# Altium PCB LimeKEY-RPCM_1v2.PcbDoc (part 6 of 8)
Units mm, origin at the board's own origin, x right, y up, seen from the top; angles counter-clockwise.
Board outline 170 x 110 mm, 6 copper layers (Top, L2, L3, L4, L5, Bottom), stack 1.583 mm thick; 727 components, 437 nets, 3165 pads, 1376 vias.
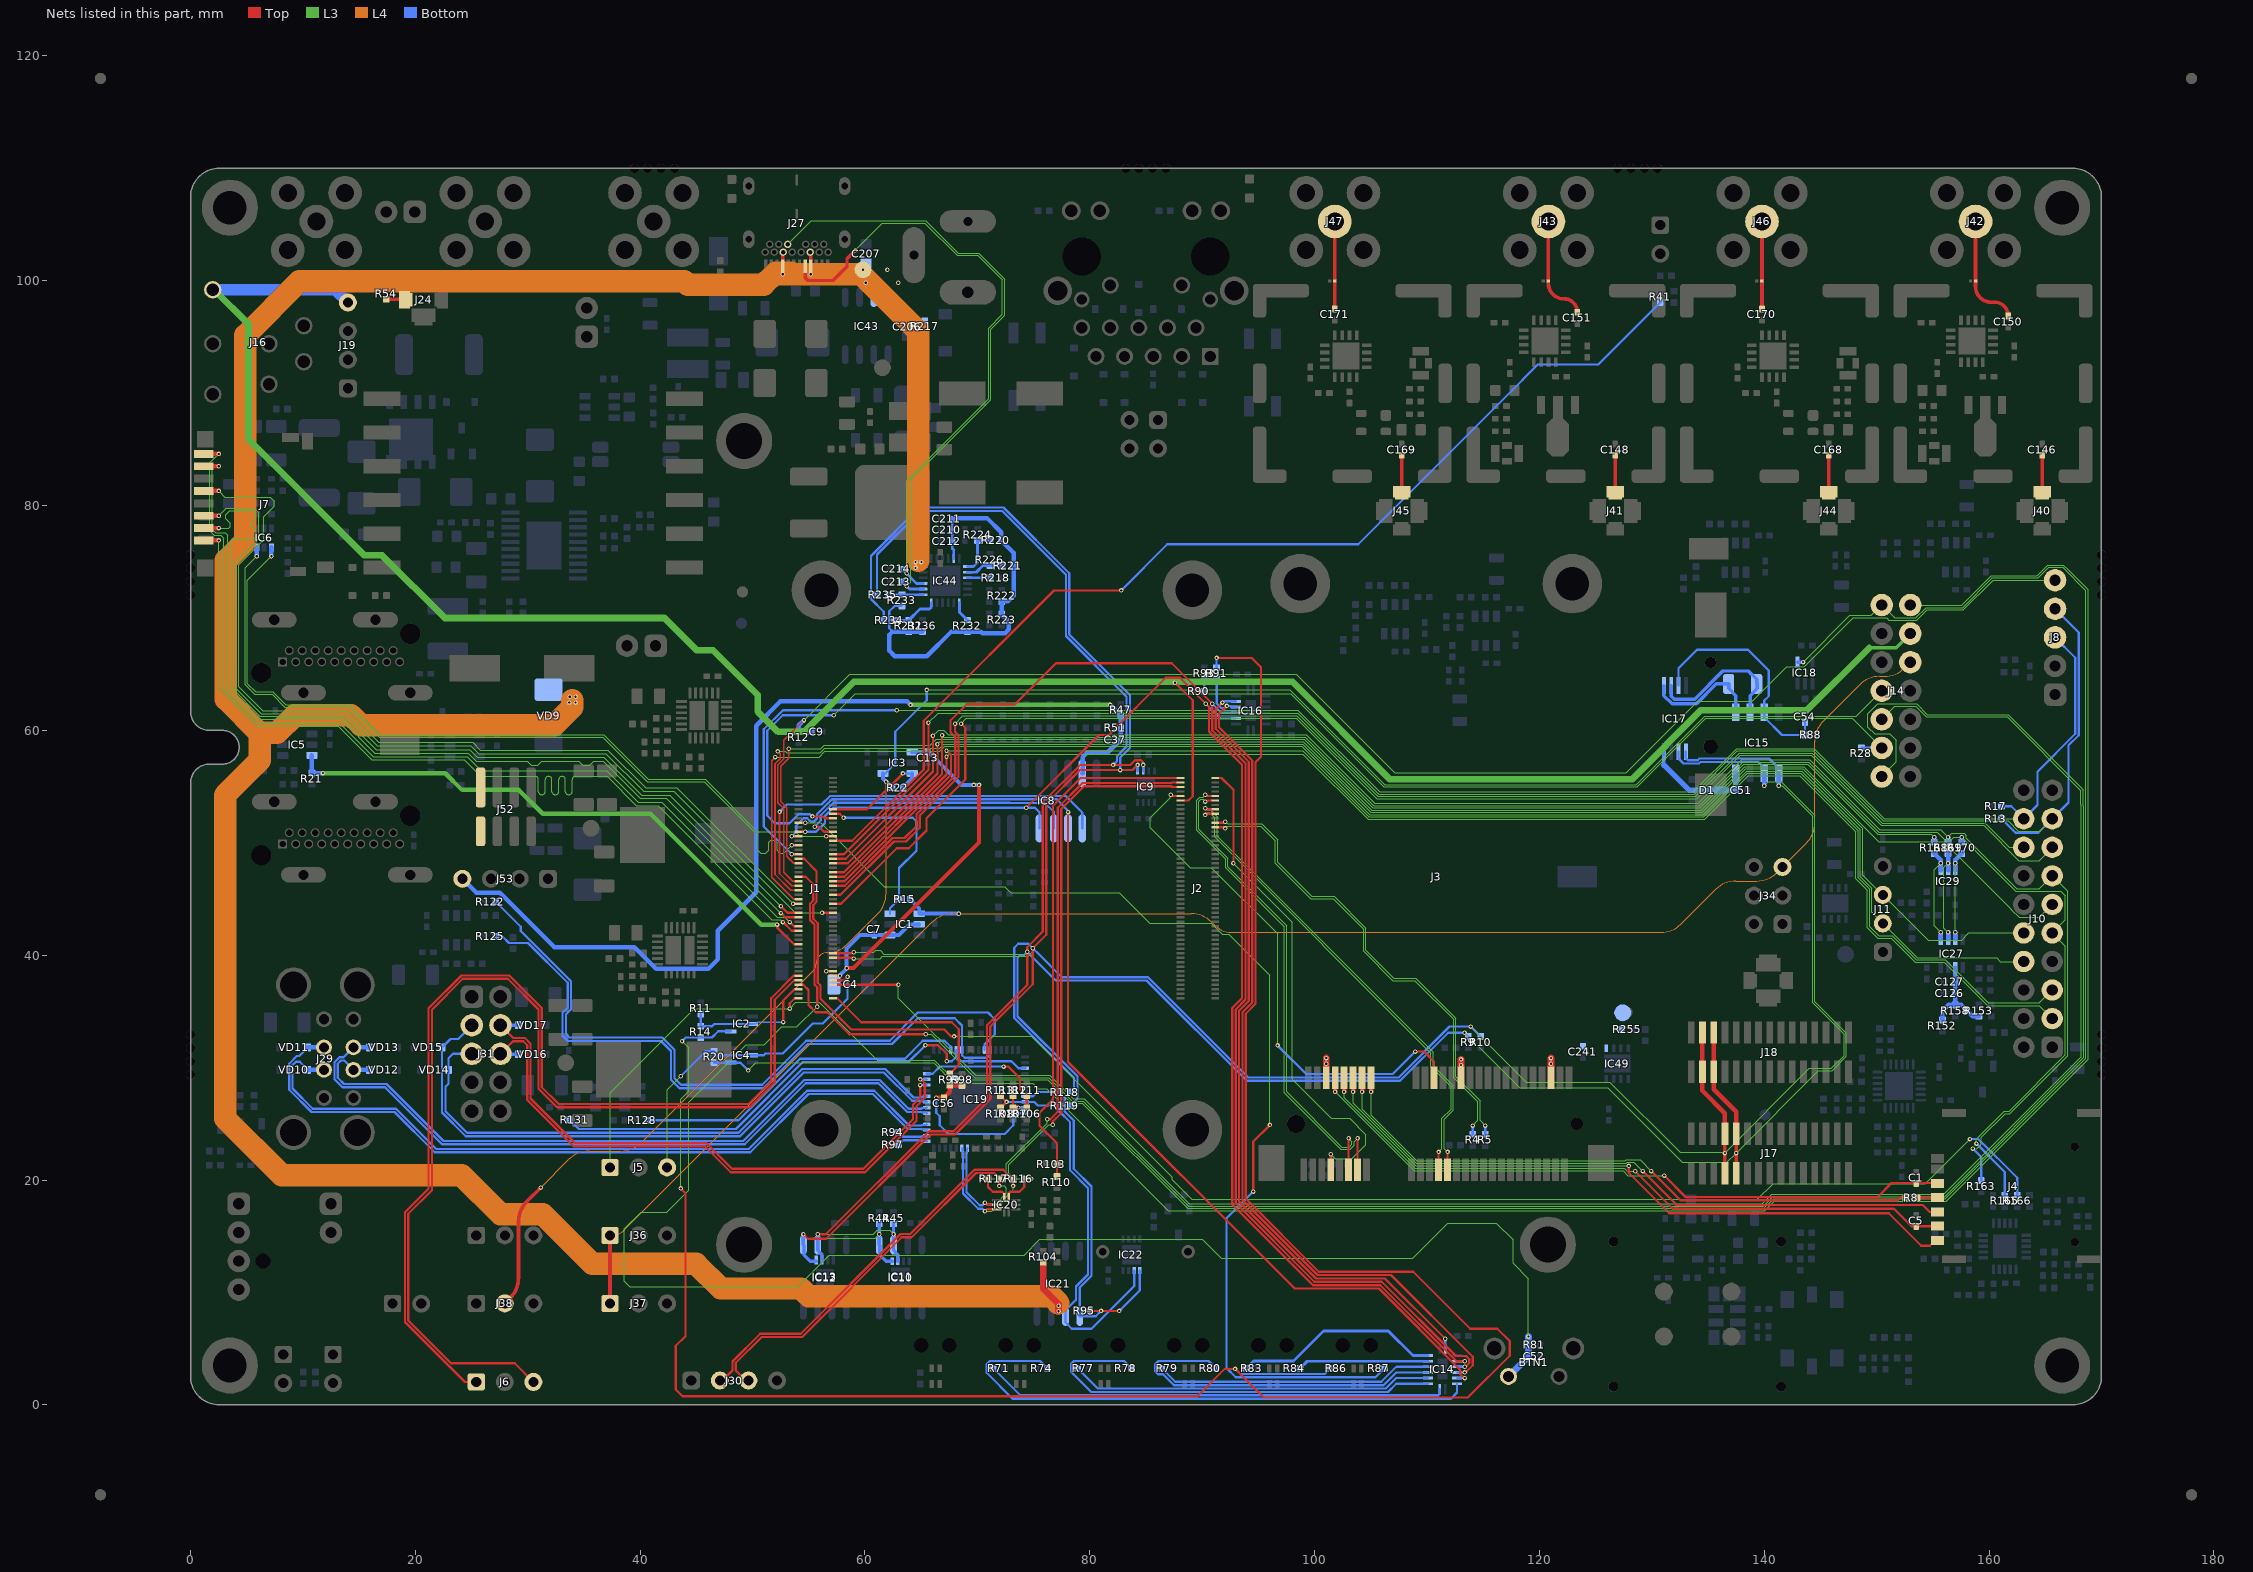
[diagram p10: the nets of this part, all layers, seen from the top]

## Via types
v1: diameter 0.4, hole 0.2, Top to Bottom, tented both sides, 1356 vias
v2: diameter 0.5, hole 0.2, Top to Bottom, tented both sides, 20 vias

## Nets (pads, with @x,y where several pads share a name; then routed paths per layer and width w, separated by ;. In a path a pad name is that pad's centre, name@x,y a point inside that pad or via, vN(x,y) a via of type N, cw(c..) or ccw(c..) an arc to the next point about the centre after c; other vN are vias at no path point) (continued)
RPI_AIP1: J1.94 J14.6 | length 170.2
  Top w0.2: J1.94@57.165,37.375 v1(62.975,37.375)
  L3 w0.1: v1(62.975,37.375) 62.975,36.167 69.842,29.3 76.441,29.3 78.516,27.225 79.516,27.225 88.866,17.875 139.809,17.875 140.659,18.725 155.958,18.725 168.175,30.942 168.175,53.45 168.175,54.633 161.608,61.2 154.417,61.2 153.467,62.15 151.621,62.15 J14.6@150.454,60.982
RPI_BT_nDISABLE: J1.91 J6.3 | length 93.5
  Top w0.2: J6.3@30.499,2.038 28.837,3.7 23.175,3.7 19.375,7.5 19.375,17 21.475,19.1 21.475,35.15 24.225,37.9 28.226,37.9 30.95,35.176 30.95,28.126 32.601,26.475 49.775,26.475 51.975,28.675 51.975,36.05 53.7,37.775 J1.91@54.085,37.775
RPI_BTN1: BTN1.1 C52.1 J1.45 R81.2 | length 144.5
  Top w0.2: J1.45@54.085,46.975 54.724,46.975 55.395,46.304 55.395,44.871 55.1,44.576 55.1,43.126 55.5,42.726 55.5,37.401 55.75,37.151 v1(55.75,35.425)
  L3 w0.1: v1(55.75,35.425) 53.95,33.625 52.6,33.625 51.025,32.05 49.425,32.05 44.3,26.925 44.3,19.075 42.356,17.131 40.081,17.131 38.6,15.65 38.6,10.98 39.08,10.5 54,10.5 56.825,13.325 74.158,13.325 75.558,14.725 90,14.725 91.675,13.05 108.725,13.05 111.85,16.175 116.175,16.175 117.65,14.7 117.65,12.575 119.025,11.2 v1(119.025,6.075)
  Bottom w0.6: BTN1.1@117.25,2.53 C52.1@119.025,4.305 R81.2@119.025,5.355 v1(119.025,6.075)
RPI_BTN2: C9.1 J1.47 J8.5 R12.2 | length 142.6
  Top w0.15: J1.47@54.085,46.575 53.575,46.575 52.775,47.375 52.775,53.046 52.25,53.571 52.25,56.925 52.775,57.45 52.775,59.125 v1(54.575,60.925)
  L3 w0.1: v1(54.575,60.925) 58.625,64.975 98.375,64.975 107.125,56.225 127.725,56.225 134.1,62.6 138.95,62.6 142,65.65 143.55,65.65 147.9,70 150.9,70 151.096,69.804 153.579,69.804 154.5,70.725 157.725,70.725 160.361,73.361 J8.5@165.875,73.361
  Bottom w0.4: R12.2@54.1,59.9 54.1,60.45 v1(54.575,60.925)
  Bottom w0.5: R12.2@54.1,59.9 C9.1@55.2,59.9
RPI_EEPROM_nWP: J1.20 J14.4 R28.2 | length 123.5
  Top w0.2: v1(55.325,52.35) 56.25,52.35 56.425,52.175 J1.20@57.165,52.175
  L3 w0.1: v1(57.225,61.35) 59.125,63.25 97.867,63.25 106.142,54.975 128.683,54.975 134.783,61.075 147.818,61.075 J14.4@150.454,58.439
  Bottom w0.2: v1(55.325,52.35) 55.308,52.35 55.108,52.55 54.084,52.55 53.284,51.75 51.976,51.75 51.3,52.426 51.3,59.976 52.674,61.35 v1(57.225,61.35) ; R28.2@148.65,58.45 J14.4@150.443,58.45
RPI_GLOBAL_EN: IC18.4 J1.99 J5.1 J14.14 | length 228.4
  Top w0.2: v1(53.3,35.25) 53.3,35.725 53.75,36.175 J1.99@54.085,36.175
  L3 w0.1: J5.1@37.319,21.125 37.319,27.744 44.825,35.25 v1(53.3,35.25) 53.85,35.8 55.925,35.8 61.075,30.65 66.175,30.65 67.925,28.9 76.275,28.9 78.35,26.825 79.35,26.825 88.7,17.475 139.975,17.475 140.825,18.325 156.124,18.325 168.575,30.776 168.575,72.475 166.539,74.511 165.294,74.511 164.358,73.575 160.292,73.575 157.642,70.925 154.417,70.925 153.496,70.004 151.604,70.004 J14.14@150.454,71.154 149.525,70.225 147.6,70.225 v1(143.45,66.075)
  Bottom w0.3: IC18.4@142.965,66.08 142.97,66.075 v1(143.45,66.075)
RPI_GPIO2: J1.58 J10.15 | length 128.3
  Top w0.2: J1.58@57.165,44.575 57.875,44.575 62.825,49.525 63.898,49.525 65.475,51.102 65.475,52.175 68.925,55.625 68.925,60.225 v1(68.55,60.6)
  L3 w0.1: v1(68.55,60.6) 69.025,61.075 98.375,61.075 105.529,53.921 133.998,53.921 137.801,57.725 137.851,57.775 144.201,57.775 150.426,51.55 155.892,51.55 159.533,51.55 162.658,48.425 164.445,48.425 J10.15@165.62,49.6
RPI_GPIO4: J1.54 J10.16 | length 124.4
  Top w0.2: J1.54@57.165,45.375 57.826,45.375 62.576,50.125 63.649,50.125 64.875,51.351 64.875,52.424 68.325,55.874 68.325,59.55 68.019,59.856 v1(68.019,60.6)
  L3 w0.1: v1(68.019,60.6) 68.719,61.3 98.433,61.3 105.611,54.121 133.915,54.121 137.601,57.808 137.769,57.975 144.284,57.975 150.509,51.75 159.65,51.75 161.8,49.6 J10.16@163.08,49.6
RPI_GPIO22: J1.46 J10.3 | length 131.3
  Top w0.2: J1.46@57.165,46.975 58.151,46.975 67.252,56.076 v1(67.252,57.65)
  L3 w0.1: v1(67.252,57.65) 67.502,57.9 98.95,57.9 104.75,52.1 134.722,52.1 138.597,55.975 143.169,55.975 148.15,50.994 148.15,46.825 149.175,45.8 149.175,42.442 150.092,41.525 151.288,41.525 153.438,39.375 156.017,39.375 159.867,35.525 164.455,35.525 J10.3@165.62,34.36
RPI_GPIO27: J1.48 J10.5 | length 132.5
  Top w0.2: J1.48@57.165,46.575 58.175,46.575 67.652,56.052 67.652,57.823 v1@67.275,58.2
  L3 w0.1: v1(67.252,58.2) 98.933,58.2 104.833,52.3 134.639,52.3 138.464,56.125 138.514,56.175 143.251,56.175 148.35,51.076 148.35,46.908 149.375,45.883 149.375,42.525 150.175,41.725 151.371,41.725 153.521,39.575 156.1,39.575 159.925,35.75 164.47,35.75 J10.5@165.62,36.9
RPI_I2C0_SCL: IC9.2 IC10.6 IC11.6 IC12.6 IC13.6 IC15.6 IC17.6 J1.80 J17.11 J18.13 R9.2 R45.1 R119.2 R235.2 | length 291.2
  Top w0.2: v1(55.79,15.17) 56.52,15.17 65.7,24.35 67.876,24.35 70.85,27.324 70.85,33.774 74.425,37.349 v1(74.425,40.3) 74.425,40.7 75.825,42.1 75.825,53.6 79.15,56.925 v1(82.075,56.925) 83.6,56.925 84.025,57.35 84.55,57.35 84.75,57.15 v1(84.75,56.925) ; J1.80@57.165,40.175 58.846,40.175 58.946,40.275 v1(59,40.275)
  Top w0.325: J17.11@137.5,20.625 v1(137.5,22.4) J17.11@137.5,24.125
  Top w0.4: J18.13@135.5,33.125 J18.13@135.5,29.625 135.5,28.075 137.5,26.075 J17.11@137.5,24.125
  L3 w0.1: v1(55.79,15.17) 60.72,15.17 61.07,15.52 62.19,15.52 v1(62.54,15.17) ; v1(59,40.275) 60.8,40.275 60.95,40.425 61.35,40.425 61.675,40.1 74.225,40.1 v1(74.425,40.3) ; v1(113.337,33.113) 118.25,28.2 126.1,28.2 132.725,21.575 136.675,21.575 v1(137.5,22.4) 144.825,29.725 146.033,29.725 147.3,30.992 147.3,33.05 144.5,35.85 144.5,52.45 141.515,55.435 140.36,55.435 v1(140.01,55.085)
  Bottom w0.2: R235.2@61.066,72.07 61.066,75.641 64.95,79.525 72.2,79.525 77.875,73.85 77.875,68.4 83.275,63 83.275,58.574 82.412,57.711 82.412,57.262 v1(82.075,56.925) ; R119.2@78.275,26.625 78.9,27.25 78.9,29.224 73.575,34.549 73.575,39.775 73.8,40 74.125,40 v1(74.425,40.3) 74.975,39.75 76.975,37.75 85.051,37.75 93.976,28.825 107.599,28.825 111.887,33.113 v1(113.337,33.113) R9.2@113.675,32.775 ; IC17.6@132.375,58.1 132.375,57.5 132.825,57.05 134.2,57.05 134.35,57.2 139.45,57.2 IC15.6@139.95,56.7
  Bottom w0.25: IC9.2@84.75,56.4 v1(84.75,56.925)
  Bottom w0.3: v1(55.79,15.17) IC12.6@55.79,14.225 55.79,13.734 56.175,13.349 IC13.6@56.175,12.875 IC13.6@56.175,12.775 ; R45.1@62.54,16.115 v1(62.54,15.17) IC10.6@62.54,14.225 62.54,13.734 62.925,13.349 IC11.6@62.925,12.775
  Bottom w0.4: v1(140.01,55.085) IC15.6@140.01,56.188
RPI_I2C0_SDA: IC9.1 IC10.5 IC11.5 IC12.5 IC13.5 IC15.5 IC17.5 J1.82 J17.12 J18.14 R10.2 R44.1 R118.2 R234.2 | length 297.5
  Top w0.2: v1(54.52,15.17) 54.92,14.77 56.545,14.77 65.825,24.05 68,24.05 71.15,27.2 71.15,33.65 74.925,37.425 v1(74.925,40.625) 76.125,41.825 76.125,53.476 79.124,56.475 v1(82.712,56.475) 83.8,56.475 v1(84.25,56.925) ; J1.82@57.165,39.775 58.871,39.775 58.946,39.7 v1(59,39.7)
  Top w0.325: J17.12@136.5,20.625 v1(136.5,22.4) J17.12@136.5,24.125
  Top w0.4: J18.14@134.5,33.125 134.5,27.95 136.5,25.95 J17.12@136.5,24.125
  L3 w0.1: v1(54.52,15.17) 54.87,14.82 60.92,14.82 v1(61.27,15.17) ; v1(59,39.7) 61.35,39.7 61.55,39.9 74.52,39.9 74.925,40.305 v1(74.925,40.625) ; v1(113.9,33.65) 118.85,28.7 126.258,28.7 132.508,22.45 136.45,22.45 v1(136.5,22.4) 144.025,29.925 145.95,29.925 147.1,31.075 147.1,32.967 144.3,35.767 144.3,52.367 141.582,55.085 v1(141.28,55.085)
  Bottom w0.2: R234.2@61.666,69.795 61.666,70.559 60.525,71.7 60.525,75.524 64.826,79.825 72.324,79.825 78.175,73.974 78.175,68.524 83.575,63.124 83.575,58.45 82.712,57.587 v1(82.712,56.475) ; R118.2@78.275,27.825 78.6,28.15 78.6,29.1 73.275,34.425 73.275,40.675 73.625,41.025 74.525,41.025 v1(74.925,40.625) 75.475,40.075 77.5,38.05 85.175,38.05 94.1,29.125 107.475,29.125 112,33.65 v1(113.9,33.65) R10.2@114.775,32.775 ; IC17.5@133.025,58.1 133.025,57.525 133.1,57.45 133.2,57.35 134.076,57.35 134.226,57.5 140.425,57.5 141.055,56.87 141.055,56.413 IC15.5@141.28,56.188
  Bottom w0.25: IC9.1@84.25,56.4 v1(84.25,56.925)
  Bottom w0.3: v1(54.52,15.17) IC12.5@54.52,14.225 54.577,14.168 54.577,13.323 55.125,12.775 IC13.5@55.675,12.775 ; R44.1@61.27,16.115 v1(61.27,15.17) IC10.5@61.27,14.225 61.327,14.168 61.327,13.323 61.875,12.775 IC11.5@62.425,12.775
  Bottom w0.4: v1(141.28,55.085) IC15.5@141.28,56.188
RPI_ID_SC: J1.35 J8.3 J10.18 R17.1 | length 154
  Top w0.2: v1(53.475,48.975) J1.35@54.085,48.975
  L3 w0.1: v1(62.825,61.8) 98.511,61.8 105.789,54.522 133.683,54.522 137.536,58.375 144.45,58.375 150.675,52.15 163.07,52.15 J10.18@163.08,52.14
  Bottom w0.2: v1(53.475,48.975) 51,51.45 51,60.1 52.7,61.8 v1(62.825,61.8) ; R17.1@161.1,53.25 161.97,53.25 J10.18@163.08,52.14 164.3,53.36 164.3,56.325 167.675,59.7 167.675,66.475 J8.3@165.875,68.275
RPI_ID_SD: J1.36 J8.4 J10.17 R13.1 | length 150.2
  Top w0.2: J1.36@57.165,48.975 58.125,48.975 65.65,56.5 v1(65.65,60.672)
  L3 w0.1: v1(65.65,60.672) 66.503,61.525 69.697,61.525 98.503,61.525 105.706,54.322 133.766,54.322 137.619,58.175 144.367,58.175 150.592,51.95 161.7,51.95 162.61,51.04 164.52,51.04 J10.17@165.62,52.14
  Bottom w0.2: R13.1@161.1,52.15 162.35,50.9 164.38,50.9 J10.17@165.62,52.14 167.075,53.595 167.075,58.676 167.975,59.576 167.975,68.718 J8.4@165.875,70.818
RPI_LED1_G: IC14.1 R71.1 | length 41.2
  Bottom w0.2: R71.1@71.41,3.253 73.813,0.85 111,0.85 111.125,0.975 IC14.1@111.125,1.384
RPI_LED1_R: IC14.15 R74.1 | length 50.4
  Bottom w0.2: R74.1@76.21,3.253 75.56,3.902 71.102,3.902 70.827,3.627 70.827,2.848 73.125,0.55 112.125,0.55 112.675,1.1 IC14.15@112.675,1.884
RPI_LED2_G: IC14.3 R77.1 | length 32.3
  Bottom w0.2: R77.1@78.91,3.253 80.713,1.45 106.33,1.45 107.264,2.384 IC14.3@110.075,2.384
RPI_LED2_R: IC14.2 R78.1 | length 39.2
  Bottom w0.2: R78.1@83.71,3.253 83.06,3.902 78.602,3.902 78.327,3.627 78.327,2.948 80.125,1.15 106.525,1.15 107.259,1.884 IC14.2@110.075,1.884
RPI_LED3_G: IC14.5 R79.1 | length 24.7
  Bottom w0.2: R79.1@86.41,3.253 87.613,2.05 105.94,2.05 107.274,3.384 IC14.5@110.075,3.384
RPI_LED3_R: IC14.4 R80.1 | length 31.6
  Bottom w0.2: R80.1@91.21,3.253 90.56,3.902 86.102,3.902 85.827,3.627 85.827,2.973 86.075,2.725 86.513,2.725 87.488,1.75 106.135,1.75 107.269,2.884 IC14.4@110.075,2.884
RPI_LED4_G: IC14.7 R83.1 | length 18.4
  Bottom w0.25: R83.1@93.91,3.25 94.563,3.902 98.119,3.902 100.791,6.575 106.55,6.575 108.741,4.384 109.533,4.384 IC14.7@110.075,4.384
RPI_LED4_R: IC14.6 R84.1 | length 11.6
  Bottom w0.25: R84.1@98.71,3.25 99.344,3.884 IC14.6@110.075,3.884
RPI_LED_nPWR: IC2.2 J1.95 R11.2 R14.2 | length 12.3
  Top w0.2: v1(52.725,34.05) 52.725,35.975 53.725,36.975 J1.95@54.085,36.975
  Bottom w0.15: IC2.2@49.99,33.89 50.31,33.89 50.47,34.05 v1(52.725,34.05)
  Bottom w0.2: R11.2@45.4,34.775 R14.2@45.4,33.675 46.4,33.675 46.615,33.89 IC2.2@49.99,33.89
RPI_nEXTRST: J1.100 R99.2 | length 16.3
  Top w0.2: 57.525,36.175 59.662,34.038 67.728,34.038 68.35,33.416 68.35,30.225 R99.2@67.55,29.425
RPI_nRPIBOOT: J1.93 J14.2 | length 183.2
  Top w0.2: J1.93@54.085,37.375 54.5,37.375 54.975,36.9 54.975,35.575 55.625,34.925 56.65,34.925 58.6,32.975 v1(65.4,32.975)
  L3 w0.1: v1(65.4,32.975) 65.875,32.975 69.75,29.1 76.358,29.1 78.433,27.025 79.433,27.025 88.783,17.675 126.734,17.675 139.892,17.675 140.742,18.525 156.041,18.525 168.375,30.859 168.375,53.25 168.375,54.716 161.691,61.4 154.5,61.4 153.55,62.35 150.1,62.35 149.225,61.475 149.225,60.3 149.825,59.7 151.175,59.7 151.75,59.125 151.75,57.193 J14.2@150.454,55.896
RPI_PCIE_CLK_N: J2.12 J3.11 | length 42.2
  Top w0.2: v1(90.28,53.675) 90.38,53.775 J2.12@91.165,53.775 ; J3.11@103.025,20.9 v1(103.025,23.725)
  L3 w0.1: v1@90.271,53.675 90.071,53.875 89.858,53.875 89.7,53.717 89.7,51.208 92.275,48.633 92.275,47.858 97.5,42.633 97.5,27.85 102.425,22.925 103.067,22.925 103.325,23.183 103.325,23.425 v1(103.025,23.725)
RPI_PCIE_CLK_nREQ: J2.2 J3.7 | length 44.7
  Top w0.2: J2.2@91.165,55.775 91.725,55.775 92.775,54.725 v1(92.775,48.175) ; J3.7@101.425,20.9 v1(101.425,22.3)
  L3 w0.1: v1(92.775,48.175) 98,42.95 98,28.975 101.5,25.475 103.125,25.475 104.562,24.038 104.562,23.137 103.325,21.9 101.825,21.9 v1(101.425,22.3)
RPI_PCIE_CLK_P: J2.10 J3.13 | length 43.2
  Top w0.2: v1(90.28,54.275) 90.38,54.175 J2.10@91.165,54.175 ; J3.13@103.825,20.9 v1(103.825,23.725)
  L3 w0.1: v1@90.271,54.275 90.071,54.075 89.775,54.075 89.5,53.8 89.5,51.125 92.075,48.55 92.075,47.775 97.3,42.55 97.3,27.767 102.342,22.725 103.15,22.725 103.525,23.1 103.525,23.425 v1(103.825,23.725)
RPI_PCIE_nRST: J2.9 J3.22 | length 47.4
  Top w0.2: v1(87.2,54.275) 87.3,54.175 J2.9@88.085,54.175 ; v1(108.95,31.425) 109.725,31.425 110.625,30.525 J3.22@110.625,29.1
  L3 w0.1: v1(87.2,54.275) 87.178,54.253 87.178,54.003 85.4,52.225 85.4,51.325 88.95,47.775 90.825,47.775 96.7,41.9 v1(96.7,31.975)
  Bottom w0.2: v1(96.7,31.975) 99.25,29.425 106.95,29.425 v1(108.95,31.425)
RPI_PCIE_RX_N: J2.18 J3.23 | length 42.5
  Top w0.2: v1(90.28,52.475) 90.38,52.575 J2.18@91.165,52.575 ; J3.23@111.025,20.9 v1(111.025,22.5)
  L3 w0.1: v1@90.289,52.475 90.489,52.675 90.692,52.675 91.125,52.242 91.125,50.517 110.35,31.292 110.35,30.1 111.575,28.875 112.15,28.3 112.15,26.3 111.325,25.475 111.325,22.8 v1(111.025,22.5)
RPI_PCIE_RX_P: J2.16 J3.25 | length 42.9
  Top w0.2: v1(90.28,53.075) 90.38,52.975 J2.16@91.165,52.975 ; J3.25@111.825,20.9 v1(111.825,22.5)
  L3 w0.1: v1@90.289,53.075 90.489,52.875 90.775,52.875 91.325,52.325 91.325,50.6 110.55,31.375 110.55,30.183 112.35,28.383 112.35,26.217 111.525,25.392 111.525,22.8 v1(111.825,22.5)
RPI_PCIE_TX_N: J2.24 R4.2 | length 42.1
  Top w0.2: J2.24@91.165,51.375 91.95,51.375 v1(92.05,51.275)
  L3 w0.1: v1@92.059,51.275 92.259,51.475 95.2,51.475 96.5,50.175 96.5,48.2 99.675,45.025 101.65,45.025 104.35,42.325 104.35,40.35 106.95,37.75 108.925,37.75 112.375,34.3 112.375,29.117 114.525,26.967 114.525,25.3 v1(114.075,24.85)
  Bottom w0.2: R4.2@114.075,24.075 v1(114.075,24.85)
RPI_PCIE_TX_P: J2.22 R5.2 | length 42.4
  Top w0.2: J2.22@91.165,51.775 91.95,51.775 v1(92.05,51.875)
  L3 w0.1: v1@92.059,51.875 92.259,51.675 95.283,51.675 96.7,50.258 96.7,48.283 99.758,45.225 101.575,45.225 101.733,45.225 104.55,42.408 104.55,42.25 104.55,40.433 107.033,37.95 109.008,37.95 112.575,34.383 112.575,29.2 114.725,27.05 114.725,25.3 v1(115.175,24.85)
  Bottom w0.2: R5.2@115.175,24.075 v1(115.175,24.85)
RPI_PWM0: IC6.3 J1.31 | length 70.9
  Top w0.2: v1(53.475,49.775) J1.31@54.085,49.775
  L3 w0.1: v1(5.9,75.5) 4.85,74.45 4.85,64.075 5.7,63.225 7.25,63.225 8.4,62.075 14.1,62.075 16.775,59.4 36.675,59.4 40.625,55.45 45.7,55.45 50.375,50.775 50.375,49.425 50.725,49.075 51.175,49.075 51.45,49.35 51.45,50.05 51.625,50.225 51.95,50.225 52.175,50 52.175,49.325 52.425,49.075 52.775,49.075 v1(53.475,49.775)
  Bottom w0.4: v1(5.9,75.5) IC6.3@5.9,76.275
RPI_PWM1: IC6.1 J1.28 | length 70.7
  Top w0.2: v1(56.555,50.575) J1.28@57.165,50.575
  L3 w0.1: v1(7.2,75.5) 5.05,73.35 5.05,64.158 5.783,63.425 7.333,63.425 8.483,62.275 14.183,62.275 16.858,59.6 36.758,59.6 36.875,59.483 40.708,55.65 45.783,55.65 50.433,51 53.8,51 54.225,50.575 v1(56.555,50.575)
  Bottom w0.4: v1(7.2,75.5) IC6.1@7.2,76.275
RPI_RF_SW_TDD: J1.30 R41.2 | length 96
  Top w0.2: J1.30@57.165,50.175 58.875,50.175 65.225,56.525 65.225,60.85 76.825,72.45 v1(82.8,72.45)
  Bottom w0.2: v1(82.8,72.45) 86.9,76.55 103.875,76.55 118.525,91.2 118.525,91.216 119.859,92.55 125.225,92.55 R41.2@130.75,98.075
RPI_RUN_PG: IC4.2 J1.92 J5.3 R20.2 | length 30
  Top w0.2: J1.92@57.165,37.775 58.15,37.775 v1(58.45,38.075)
  L3 w0.1: J5.3@42.399,21.125 42.399,28.024 v1(43.6,29.225)
  Bottom w0.2: v1(43.6,29.225) 45.825,31.45 R20.2@46.575,31.45 46.925,31.1 IC4.2@49.99,31.1 51,31.1 51.16,31.26 52.685,31.26 55.35,33.925 56.25,33.925 58.45,36.125 v1(58.45,38.075)
RPI_RUN_PG_BUFF: IC4.4 J14.13 R20.1 | length 193.8
  L3 w0.1: v1(49.625,29.75) 50.3,30.425 66.1,30.425 67.9,28.625 74.925,28.625 75.425,28.125 76.15,28.125 87,17.275 140.058,17.275 140.908,18.125 156.206,18.125 168.775,30.694 168.775,72.558 167.033,74.3 166.622,74.711 165.211,74.711 164.275,73.775 160.209,73.775 157.588,71.154 J14.13@152.996,71.154
  Bottom w0.2: R20.1@46.575,30.45 46.585,30.44 IC4.4@48.06,30.44 48.935,30.44 v1(49.625,29.75)
RPI_SD_CLK: J1.57 J7.5 | length 82.3
  Top w0.2: v1(53.6,44.575) J1.57@54.085,44.575
  Top w0.4: J7.5@1.18,81.3 v1(2.5,81.3)
  L3 w0.1: v1(2.5,81.3) 3.063,80.738 7.113,80.738 7.45,80.4 7.45,79.925 6.525,79 6.525,76.975 4.3,74.75 4.3,63.875 6.425,61.75 13.925,61.75 16.75,58.925 25.1,58.925 25.775,58.25 37.125,58.25 40.475,54.9 43.275,54.9 v1(53.6,44.575)
RPI_SD_CMD: J1.62 J7.3 | length 83.2
  Top w0.2: v1(56.18,43.775) J1.62@57.165,43.775
  Top w0.4: J7.3@1.18,79.1 v1(2.5,79.1)
  L3 w0.1: v1(2.5,79.1) 3.175,79.775 5.65,79.775 6.05,79.375 6.05,77.05 3.95,74.95 3.95,63.85 6.3,61.5 13.725,61.5 16.6,58.625 24.95,58.625 25.65,57.925 36.95,57.925 40.3,54.575 42.975,54.575 53.775,43.775 v1(56.18,43.775)
RPI_SD_D0: J1.63 J7.7 | length 82.4
  Top w0.2: v1(52.525,43.75) 52.9,43.375 J1.63@54.085,43.375
  Top w0.4: J7.7@1.18,83.5 v1(2.5,83.5)
  L3 w0.1: v1(2.5,83.5) 2.125,83.5 1.95,83.325 1.95,77.875 2.225,77.6 3.075,77.6 3.3,77.375 3.3,63.7 6.025,60.975 13.4,60.975 16.4,57.975 24.7,57.975 25.425,57.25 29.975,57.25 30.325,56.9 30.9,56.9 31.25,57.25 34.55,57.25 34.9,56.9 35.5,56.9 35.85,57.25 36.7,57.25 40,53.95 42.325,53.95 v1(52.525,43.75)
RPI_SD_D1: J1.67 J7.8 | length 83.3
  Top w0.2: v1(53.3,42.95) 53.675,42.575 J1.67@54.085,42.575
  Top w0.4: J7.8@1.18,84.6 v1(2.5,84.6)
  L3 w0.1: v1(2.5,84.6) 1.7,83.8 1.7,77.771 2.121,77.35 2.675,77.35 2.95,77.075 2.95,63.675 5.925,60.7 13.225,60.7 16.25,57.675 24.6,57.675 25.85,56.425 37.025,56.425 39.825,53.625 41.925,53.625 52.175,43.375 52.875,43.375 v1(53.3,42.95)
RPI_SD_D2: J1.69 J7.1 | length 83.3
  Top w0.2: v1(52.7,42.95) 53.475,42.175 J1.69@54.085,42.175
  Top w0.4: J7.1@1.18,76.9 v1(2.5,76.9)
  L3 w0.1: v1(2.5,76.9) 2.5,63.75 5.825,60.425 13.075,60.425 16.125,57.375 24.35,57.375 25.825,55.9 30.7,55.9 cw(c30.7,55.65) 30.95,55.65 30.95,54.556 ccw(c31.22,54.556) 31.22,54.286 31.28,54.286 ccw(c31.28,54.556) 31.55,54.556 31.55,55.63 cw(c31.82,55.63) 31.82,55.9 31.88,55.9 cw(c31.88,55.63) 32.15,55.63 32.15,54.556 ccw(c32.42,54.556) 32.42,54.286 32.48,54.286 ccw(c32.48,54.556) 32.75,54.556 32.75,55.63 cw(c33.02,55.63) 33.02,55.9 33.08,55.9 cw(c33.08,55.63) 33.35,55.63 33.35,54.556 ccw(c33.62,54.556) 33.62,54.286 33.68,54.286 ccw(c33.68,54.556) 33.95,54.556 33.95,55.63 cw(c34.22,55.63) 34.22,55.9 34.25,55.9 37.05,55.9 39.65,53.3 41.6,53.3 51.725,43.175 52.475,43.175 v1(52.7,42.95)
RPI_SD_D3: J1.61 J7.2 | length 82.8
  Top w0.2: v1(52.525,44.35) 53.1,43.775 J1.61@54.085,43.775
  Top w0.4: J7.2@1.18,78 v1(2.5,78)
  L3 w0.1: v1(2.5,78) 3.4,78 3.525,78.125 3.525,78.45 3.125,78.85 3.125,79.175 3.475,79.525 5.5,79.525 5.725,79.3 5.725,78.762 5.45,78.487 5.45,78.163 5.725,77.887 5.725,77.3 5.525,77.1 3.775,77.1 3.6,76.925 3.6,63.825 6.175,61.25 13.55,61.25 16.5,58.3 24.825,58.3 25.525,57.6 36.775,57.6 40.125,54.25 42.625,54.25 v1(52.525,44.35)
RPI_SD_PWR_ON: IC5.3 J1.75 R21.1 | length 51.3
  Top w0.2: v1(52.175,42.725) 52.175,42.475 53.675,40.975 J1.75@54.085,40.975
  L3 w0.4: v1(11.775,56.2) 22.65,56.2 24.15,54.7 29.2,54.7 31.325,52.575 40.925,52.575 50.775,42.725 v1(52.175,42.725)
  Bottom w0.4: IC5.3@10.8,57.775 R21.1@10.8,56.2 v1(11.775,56.2)
RPI_SPI0_MISO: J1.40 J10.11 | length 124.6
  Top w0.2: J1.40@57.165,48.175 58.456,48.175 66.45,56.169 v1(66.45,58.775)
  L3 w0.1: v1(66.45,58.775) 66.65,58.975 99.006,58.975 105.081,52.9 134.391,52.9 138.216,56.725 138.266,56.775 143.5,56.775 150.175,50.1 155.95,50.1 161.98,44.07 161.98,44.064 162.669,43.375 164.475,43.375 J10.11@165.62,44.52
RPI_SPI0_MOSI: J1.44 J10.9 R165.1 R170.2 | length 158.8
  Top w0.2: J1.44@57.165,47.375 58.126,47.375 66.852,56.101 v1(66.852,59.575)